# Altium PCB HYDRA_V4_LINK_V2.PcbDoc (part 2 of 3)
Units mm, origin at the board's own origin, x right, y up, seen from the top; angles counter-clockwise.
Board outline 50 x 44 mm, 4 copper layers (TOP SIG, PWR + INT SIG, GND, BOTTOM SIG), stack 1.586 mm thick; 197 components, 145 nets, 764 pads, 280 vias.
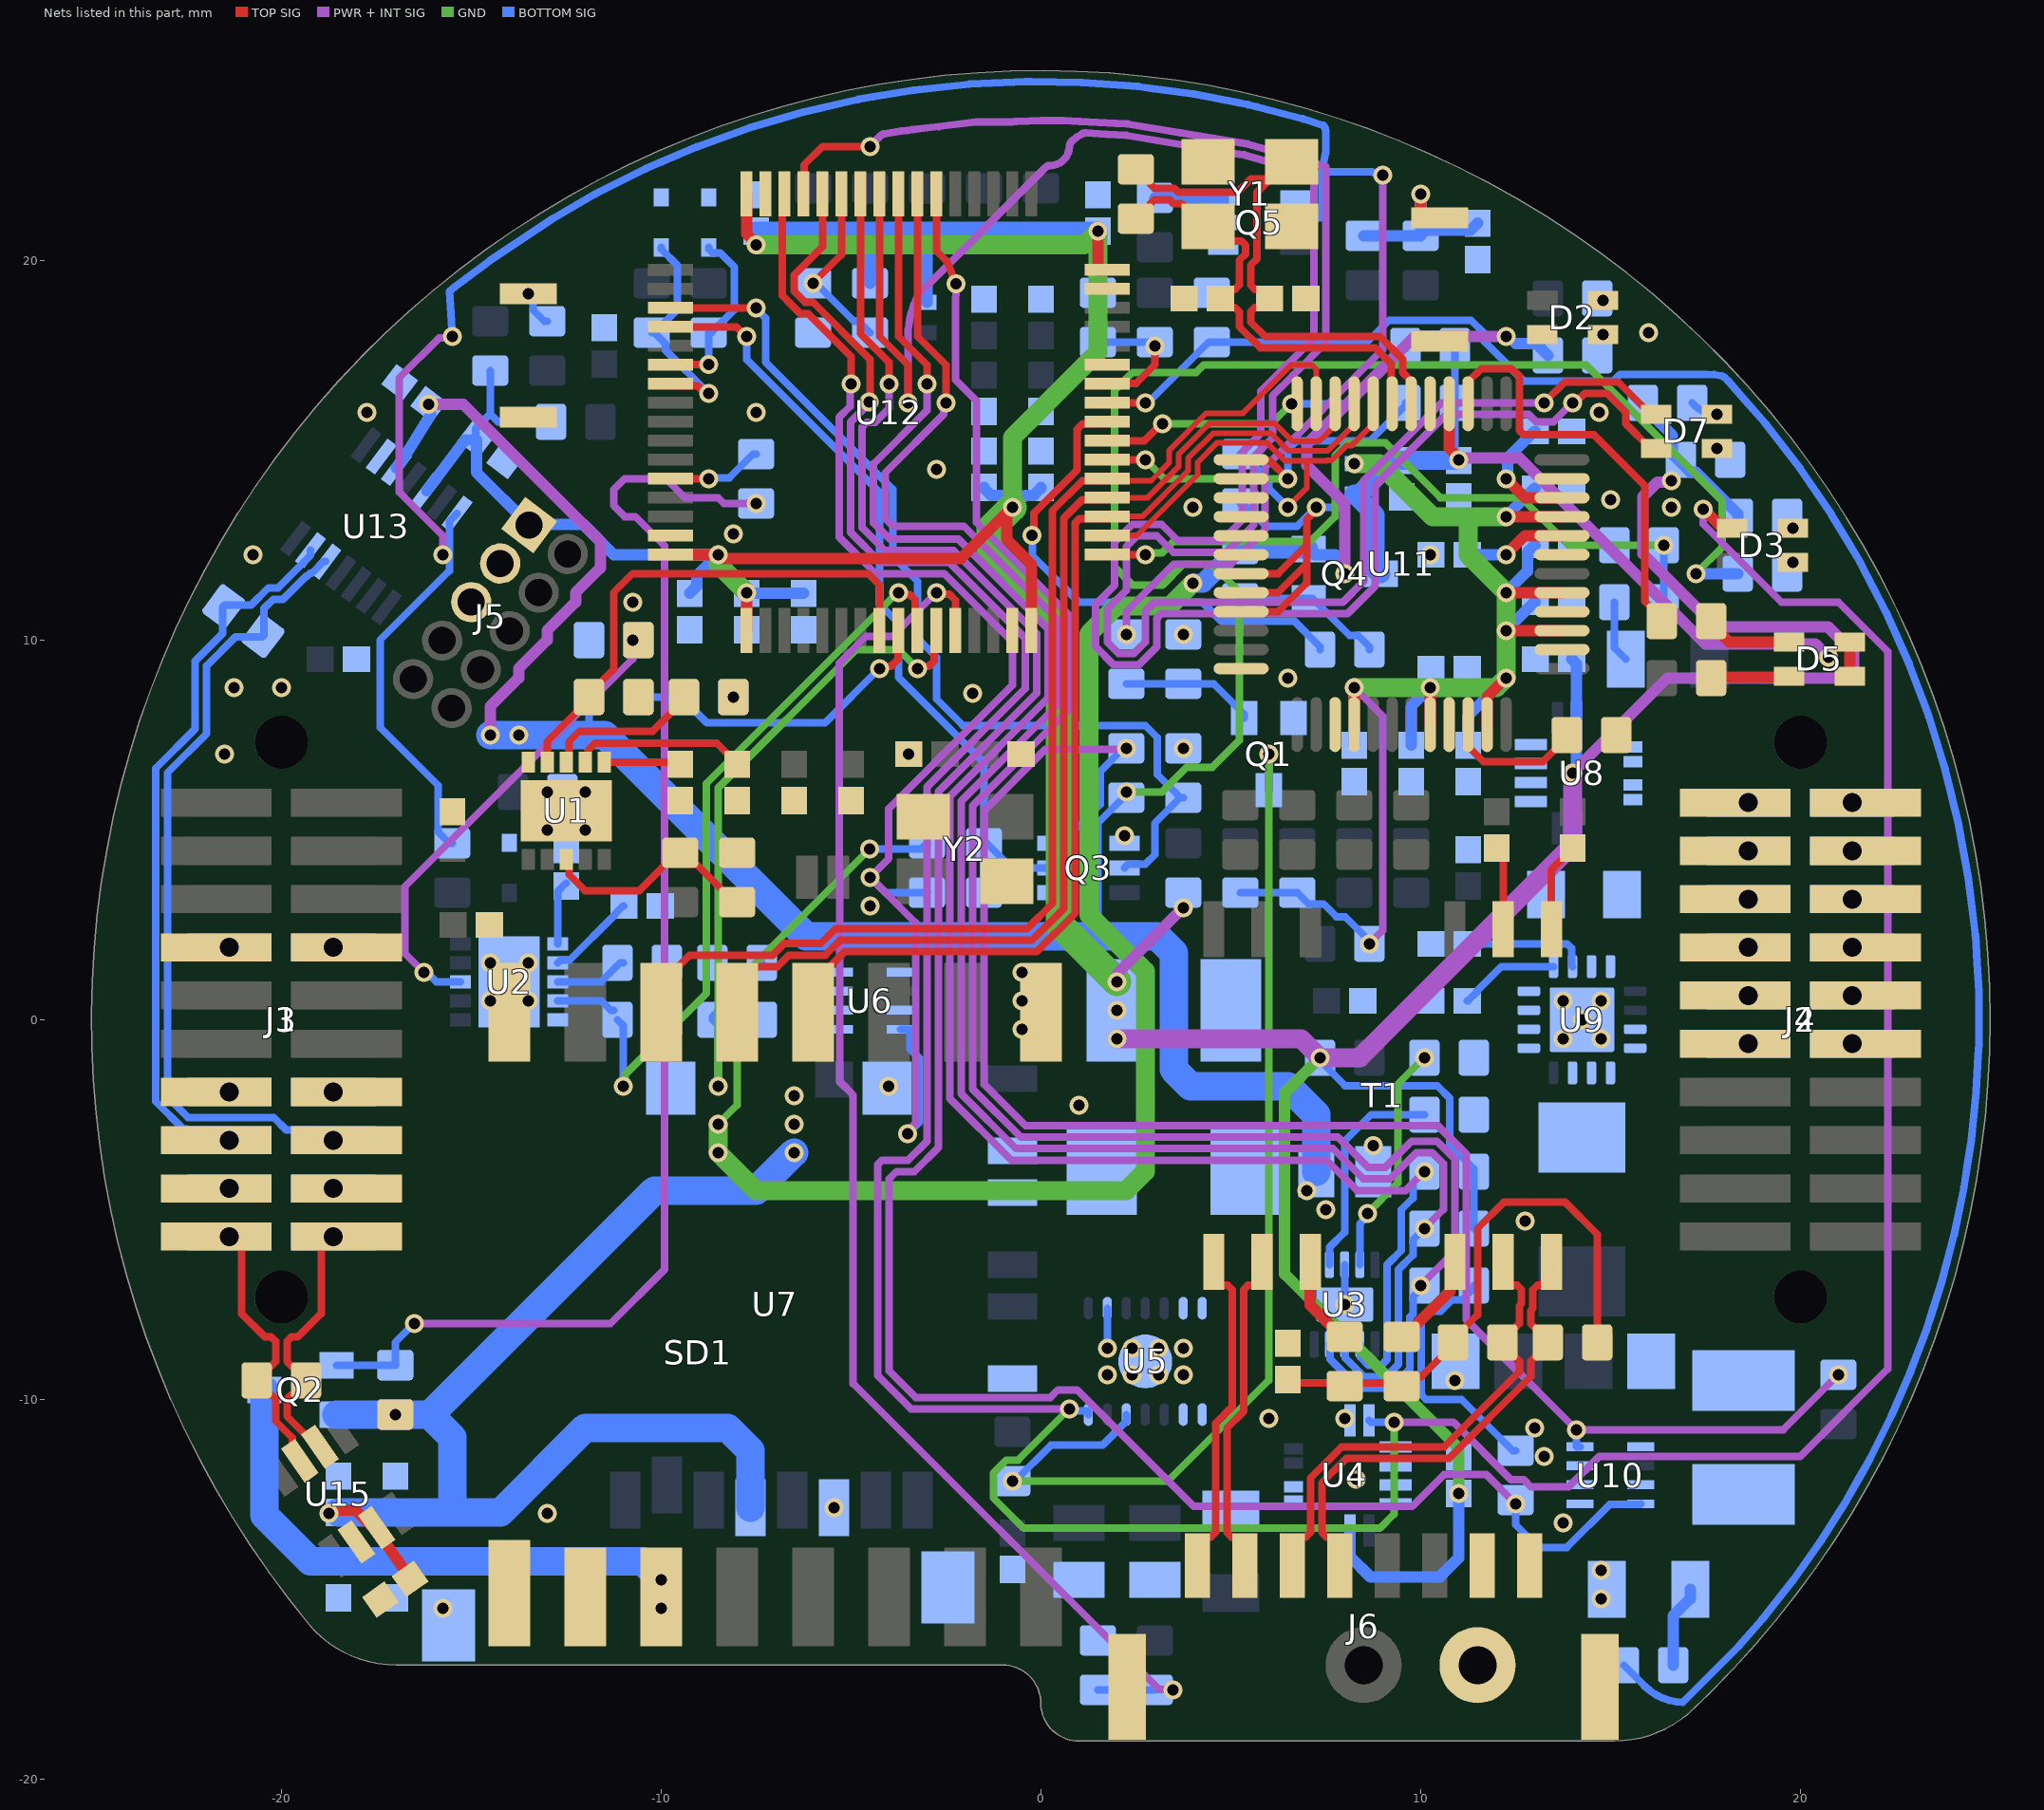
[diagram p4: the nets of this part, all layers, seen from the top]

## Part data (continued)
U11: library part CMP-015-0000-2, "Ethernet CTLR Single Chip 10Mbps/100Mbps 3.3V 48-Pin LQFP Reel", Case/Package=LQFP, Max Operating Temperature=85°C, Max Supply Current=132mA, Max Supply Voltage=3.63V, Min Operating Temperature=-40°C, Min Supply Voltage=2.97V, Package Quantity=250, Interface=SPI, Lead Free="Lead Free", Number of Pins=48, Number of Transceivers=1, Operating Supply Current=132mA, Packaging=Tray
U12: library part CMP-020-00020-2, "MCU 32-Bit STM32 ARM Cortex-M4 RISC 512KB Flash 1.71V to 3.6V 64-Pin LQFP T/R", RoHS Compliant=Yes
U13: library part CMP-318-000000-2, "Automotive CAN FD transceiver with watchdog, bus diagnostics and partial networking via sele 14-SOT-23-THIN -40 to 150", Component Type=Standard, Design Item ID=CMP-015-00012-2, Pin Count=14, Source=TCAN1146DYYRQ1.SchLib
U15: library part CMP-04872-000178-1, "IC TRANSCEIVER 1/1 SOT23-8", Case/Package=SOT-23-8, Max Operating Temperature=125°C, Min Operating Temperature=-40°C, Data Rate=1Mbps, Lead Free="Lead Free", Mount="Surface Mount", Packaging="Tape and Reel", RoHS Compliant=Yes
Y1 Y2: library part CMP-2000-05733-3, "Crystal 25MHz ±20ppm (Tol) ±30ppm (Stability) 18pF FUND 60Ω 4-Pin SMD T/R", Case/Package=CSMD, ESR (Equivalent Series Resistance)=60R, Frequency=25MHz, Frequency Stability=30ppm, Frequency Tolerance=20ppm, Load Capacitance=18pF, Max Operating Temperature=85°C, Min Operating Temperature=-40°C, Operating Frequency="25 MHz", Package Quantity=1000, Depth=2.5mm, Height=0.039inch, Lead Free="Lead Free", Length=3.2mm, Mount="Surface Mount", Number of Pins=4, Packaging="Tape and Reel", Radiation Hardening=No, Series=ABM8G, Series Resistance=60R, Termination=SMD/SMT, Tolerance=20ppm, Width=0.098inch
Y3: library part CMP-40224-000006-1, "CRYSTAL 32.7680KHZ 12.5PF SMD", Frequency=32.768kHz, Load Capacitance=12.5pF, Manufacturer="ECS International", Package=ECX-1210, Temperature="-40°C to +85°C", Temperature Range High=+85°C, Temperature Range Low=-40°C, Tolerance=20ppm, Automotive=No, Category=Crys, ComponentLink2Description=Datasheet, ComponentLink2URL=https://ecsxtal.com/store/pdf/ECX-1210.pdf, Device Class L1="Passive Components", Device Class L2="Crystals / Oscillators", Device Class L3=Crystals, Digikey Description="CRYSTAL 32.7680KHZ 12.5PF SMD", ESR=90kΩ, Height=0.5mm, Lead Free=Yes, Manufacturer Part Number=ECS-.327-12.5-1210-TR, Octopart=https://octopart.com/ecs-.327-12.5-1210-tr-ecs+international-81221340, RoHS=TRUE, Series=ECX-1210

## Free pads (board coordinates)
  round 2 hole 1: 2(11.5,-17) 3(8.5,-17)

## Via types
v1: diameter 0.5, hole 0.3, TOP SIG to BOTTOM SIG, tented both sides, 235 vias
v2: diameter 0.7, hole 0.5, TOP SIG to BOTTOM SIG, tented both sides, 40 vias
v3: diameter 0.5, hole 0.3, TOP SIG to BOTTOM SIG, 5 vias

## Nets (pads, with @x,y where several pads share a name; then routed paths per layer and width w, separated by ;. In a path a pad name is that pad's centre, name@x,y a point inside that pad or via, vN(x,y) a via of type N, cw(c..) or ccw(c..) an arc to the next point about the centre after c; other vN are vias at no path point)
3V3_OUT: Q4.2 R11.2 R15.1 R27.1 R82.2 U2.10 U6.3 | length 57.2
  PWR + INT SIG w0.3: v1(8,11.75) 8,13.6 7,14.6 7,15.153 9.847,18 v1(12.25,18)
  GND w0.2: v1(-8.5,-2.75) -8,-2.25 -8,1.002 v1(-4.502,4.5)
  GND w0.5: v1(-8.5,-2.75) v1(-8.5,-3.5) -7.5,-4.5 2.25,-4.5 2.75,-4 2.75,1.278 1.264,2.764 1.264,10.164 2,10.9 3.403,10.9 v1(4,11.497)
  BOTTOM SIG w0.2: v1(-4.502,4.5) -3.15,4.5 R27.1@-3,4.65
  BOTTOM SIG w0.3: Q4.2@7.05,12.4 7.2,12.25 7.75,12.25 7.962,12.038 7.962,11.788 v1(8,11.75) ; 12.5,17.804 13.1,17.804 13.138,17.766 13.138,17.712 R15.1@13.35,17.5
  BOTTOM SIG w0.5: v1(4,11.497) 4.003,11.5 4.275,11.5 5.175,12.4 Q4.2@7.05,12.4
5V: C7.1 C62.1 R3.2 R21.1 R22.2 R54.1 R58.1 U1.10 U3.1 U10.3 U13.3 | length 92.5
  PWR + INT SIG w0.3: v1(-16.118,16.212) -15.212,16.212 -11.6,12.6 -11.6,11.9 -12.25,11.25 -12.25,11 -13,10.25 -13,10 -13.75,9.25 -13.75,9 -14.5,8.25 v1(-14.5,7.5)
  GND w0.2: v1(2.25,6) 3.193,6 3.843,6.65 4.516,6.65 5.225,7.359 5.225,11.275 4.503,11.997 3.75,11.997 3.201,11.448 2.418,11.448 1.948,11.918 1.948,16.582 2.418,17.052 4.094,17.052 4.293,17.25 14.354,17.25 17.947,13.657 17.947,12.447 v1(17.249,11.749)
  BOTTOM SIG w0.2: -12,7.5 -11.9,7.6 R3.2@-11.9,8.5 ; 1.5,2.2 1.5,5.175 2.175,5.85 R54.1@2.25,5.85 ; R21.1@11.4,-7 11.4,-7.075 11.1,-7.375 10.827,-7.375 10.525,-7.677 10.304,-7.677 10.021,-7.959 10.021,-9.883 10.139,-10 11.075,-10 12.425,-11.35 R58.1@12.5,-11.35
  BOTTOM SIG w0.3: U13.3@-16.971,14.533 -16.769,14.805 -16.064,15.938 v1(-16.118,16.212) ; v1(17.249,11.749) R22.2@18.35,11.75
  BOTTOM SIG w0.75: v1(-14.5,7.5) v1(-13.75,7.5) -12,7.5 -11.485,7.5 -6.185,2.2 1.5,2.2 3.061,2.2 3.5,1.761 3.5,-1.311 3.939,-1.75 6.5,-1.75 7.25,-2.5 C7.1@7.25,-4
  other v1: 13.25,-11.498 13,-10.75 7.5,-5 7,-4.5
AUX_RADIO_PWR: F3.2 J6.8
  other v1: 14.75,-15.25 14.75,-14.5
BATT_TS: R21.2 U3.9 U12.38 | length 49.2
  TOP SIG w0.2: U12.38@-2.75,21.75 -2.75,20.25 -2.5,20 ; -2.499,19.999 cw(c-2.641,19.858) -2.455,19.933 v1(-2.234,19.383)
  PWR + INT SIG w0.2: v1(-2.234,19.383) -2.25,18.738 ccw(c-2.05,18.733) -2.25,18.733 -2.25,16.859 -1.7,16.309 -1.7,13.1 0.798,10.602 0.798,8.225 -1.792,5.635 -1.792,-1.828 -0.525,-3.095 7.822,-3.095 8.622,-3.895 9.071,-3.895 9.768,-3.198 10.432,-3.198 10.902,-3.668 10.902,-6.098 v1(10,-7)
  BOTTOM SIG w0.2: U3.9@7.6,-8.55 7.615,-8.565 7.615,-8.939 8.381,-9.705 9.219,-9.705 9.72,-9.204 9.72,-7.834 9.8,-7.754 9.8,-7.3 R21.2@10.1,-7
BST_nFLT: D3.4 U4.6 U5.14 U12.44 | length 102.6
  TOP SIG w0.2: U12.44@-5.75,21.75 -5.75,20.357 -6.5,19.607 -6.5,19.193 -6.207,18.9 -6.003,18.9 -4.5,17.397 -4.5,16.302 v1(-4.526,16.276)
  TOP SIG w0.3: v1(17.447,13.45) 17.847,13.05 18.1,13.05 D3.4@18.2,12.95
  PWR + INT SIG w0.2: v1(-4.526,16.276) -4.526,16.224 -5.005,15.745 -5.005,12.831 -4.225,12.052 -2.418,12.052 -1.933,11.567 -0.408,10.042 -0.408,8.725 -2.998,6.134 -2.998,-3.206 -3.491,-3.698 -3.925,-3.698 -3.927,-3.7 -4.181,-3.7 -4.298,-3.817 -4.298,-9.375 -3.423,-10.25 v1(0.75,-10.25) ; v1(9.3,-10.6) 10.866,-10.6 12.383,-12.117 12.717,-12.117 12.9,-12.3 13.903,-12.3 14.702,-11.502 19.998,-11.502 22.3,-9.2 22.3,9.7 21,11 19.5,11 17.447,13.053 v1(17.447,13.45)
  GND w0.2: v1(0.75,-10.25) -0.6,-11.6 -0.907,-11.6 -1.25,-11.943 -1.25,-12.597 -0.45,-13.397 8.927,-13.397 9.3,-13.023 v1(9.3,-10.6)
  BOTTOM SIG w0.2: v1(0.75,-10.25) 0.807,-10.307 1.232,-10.307 1.25,-10.326 U5.14@1.25,-10.4 ; U4.6@8.648,-10.55 8.698,-10.6 v1(9.3,-10.6)
CAN0_N: J1.16 J3.16 R97.1 U13.12 | length 21.3
  BOTTOM SIG w0.2: U13.12@-18.828,12.069 -18.887,12.069 -19.203,11.752 -19.25,11.752 -19.317,11.686 -19.348,11.686 -19.96,11.074 -20.213,11.074 -20.454,10.832 -20.454,10.135 R97.1@-20.481,10.109 -20.507,10.082 -21.204,10.082 -21.965,9.322 -21.965,7.535 -23,6.5 -23,-2.035 -22.46,-2.575 -20.2,-2.575 -19.87,-2.905 -18.905,-2.905 v2(-18.635,-3.175)
CAN0_P: J1.15 J3.15 R97.2 U13.13 | length 19.1
  BOTTOM SIG w0.2: v2(-21.365,-3.175) -21.635,-2.905 -22.464,-2.905 -22.492,-2.877 -22.585,-2.877 -23.302,-2.16 -23.302,6.625 -22.267,7.66 -22.267,9.447 -21.546,10.168 -21.546,10.865 R97.2@-21.519,10.891 -21.493,10.918 -20.796,10.918 -20.338,11.375 -20.085,11.375 -19.227,12.233 U13.13@-19.227,12.37
CAN1_N: J1.20 J3.20 R101.1 U15.6 | length 7.1
  TOP SIG w0.2: U15.6@-18.979,-11.249 -19.048,-11.249 -19.849,-10.447 -19.849,-9.992 -19.732,-9.875 -19.65,-9.875 -19.35,-9.575 R101.1@-19.35,-9.5 -19.35,-9.425 -19.65,-9.125 -19.732,-9.125 -19.849,-9.008 -19.849,-8.638 -19.849,-8.472 -19.732,-8.355 -19.565,-8.355 -18.95,-7.74 -18.95,-5.985 -18.685,-5.72 J3.20@-18.635,-5.72
  other v2: -18.635,-5.715
CAN1_P: J1.19 J3.19 R101.2 U15.7 | length 7.2
  TOP SIG w0.2: J3.19@-21.365,-5.72 -21.315,-5.72 -21.05,-5.985 -21.05,-7.74 -20.435,-8.355 -20.268,-8.355 -20.151,-8.472 -20.151,-8.763 -20.151,-9.008 -20.268,-9.125 -20.35,-9.125 -20.65,-9.425 R101.2@-20.65,-9.5 ; R101.2@-20.65,-9.575 -20.35,-9.875 -20.268,-9.875 -20.151,-9.992 -20.151,-10.572 -19.712,-11.011 -19.712,-11.421 U15.7@-19.512,-11.622
  other v2: -21.365,-5.715
CAN_INH: Q5.2 R7.2 R31.1 U13.7 | length 63.5
  PWR + INT SIG w0.2: v1(-15.75,12.25) -15.75,12.75 -16.9,13.9 -16.9,16.9 -15.839,17.961 -15.539,17.961 v1(-15.5,18) ; v1(2.25,10.15) 2.25,10.75 3.5,12 5,12 5.903,12.903 5.903,14.553 9,17.65 v1(9,22.25)
  BOTTOM SIG w0.2: R7.2@-15.5,4.65 -15.575,4.65 -15.875,4.95 -15.875,6.175 -17.4,7.7 -17.4,10 -15.576,11.824 -15.576,13.127 U13.7@-15.373,13.329 ; v1(-15.5,18) -15.574,19.18 -15.44,19.293 cw(c-15.31,19.141) -15.431,19.301 -15.139,19.52 -14.508,19.995 -12.835,21.11 -11.744,21.742 cw(c-11.644,21.569) -11.734,21.747 -11.645,21.792 -10.422,22.406 cw(c-10.333,22.227) -10.412,22.41 -9.971,22.599 -9.063,22.989 cw(c-8.984,22.805) -9.052,22.993 -7.671,23.49 cw(c-7.603,23.302) -7.659,23.494 -7.146,23.645 -6.251,23.907 cw(c-6.195,23.715) -6.24,23.91 -4.809,24.238 ; -4.809,24.238 cw(c-4.765,24.043) -4.798,24.241 -4.425,24.303 -3.35,24.483 cw(c-3.317,24.285) -3.338,24.484 -1.879,24.639 cw(c-1.858,24.44) -1.867,24.64 -0.401,24.708 cw(c-0.392,24.508) -0.389,24.708 -0.254,24.706 1.078,24.687 cw(c1.075,24.487) 1.09,24.687 2.553,24.579 cw(c2.539,24.379) 2.565,24.577 2.969,24.523 4.02,24.382 cw(c3.993,24.184) 4.032,24.38 5.182,24.154 5.45,24.102 cw(c5.412,23.905) 5.461,24.099 5.696,24.04 6.904,23.727 cw(c6.854,23.533) 6.915,23.724 7.437,23.555 cw(c7.3,23.409) 7.5,23.409 7.5,22.852 cw(c7.3,22.852) 7.496,22.813 7.4,22.336 ; Q5.2@6.7,21 7.4,21.126 7.4,22.336 ; v1(9,22.25) 8.943,22.307 8.762,22.307 8.733,22.336 7.4,22.336
CHG_N: R19.2 U3.8 U12.39 | length 50.7
  TOP SIG w0.2: U12.39@-3.25,21.75 -3.25,18 -2.5,17.25 v1(-2.5,16.25)
  PWR + INT SIG w0.2: v1(-2.5,16.25) -2.557,16.193 -2.557,15.943 -4.1,14.4 -4.1,13.206 -3.894,13 -2.027,13 0.497,10.477 0.497,8.35 -2.094,5.759 -2.094,-1.953 -0.65,-3.397 7.697,-3.397 8.497,-4.197 9.196,-4.197 9.893,-3.5 10.307,-3.5 10.6,-3.793 10.6,-5 v1(10.1,-5.5)
  BOTTOM SIG w0.2: U3.8@8,-8.55 8,-8.785 8.015,-8.8 8.015,-8.913 8.506,-9.403 9.094,-9.403 9.418,-9.079 9.418,-6.58 9.8,-6.198 9.8,-5.8 v1(10.1,-5.5)
EN: Q1.3 R30.2 U5.12 | length 29.1
  GND w0.2: v1(-0.75,-12.15) 3.35,-12.15 6,-9.5 v1(6,7)
  BOTTOM SIG w0.2: v1(-0.75,-12.15) -0.675,-12.15 0.272,-11.203 1.627,-11.203 2.25,-10.58 U5.12@2.25,-10.4 ; Q1.3@6,6.05 v1(6,7)
ETH_3V3: C39.1 C40.1 D5.2 D5.3 FB1.1 Q4.3 R62.2 R71.2 R75.2 U11.28 U11.43 U11.44 U11.45 | length 34.4
  TOP SIG w0.2: U11.45@5.275,10.75 6.25,10.75 7,11.5 7,12 ; U11.44@5.275,11.25 6.25,11.25 7,12 ; U11.43@5.275,11.75 6.25,11.75 7,12.5 ; v1(7.25,13.5) 7.25,13.419 7,13.169 7,12.5 ; 7,12 7,12.5
  TOP SIG w0.3: U11.28@10.75,16.225 10.75,15.05 11,14.8 v1(11,14.75) ; D5.2@21.3,9.05 D5.3@21.3,9.95
  PWR + INT SIG w0.3: v1(11,14.75) 11.054,14.75 11.104,14.8 12.6,14.8 17.5,9.9 20.398,9.9 v1(20.748,9.55)
  BOTTOM SIG w0.2: R62.2@5.25,13.6 5.325,13.6 5.925,13 6.75,13 v1(7.25,13.5) 7.85,13.5 8.2,13.85 FB1.1@8.25,13.85 ; R71.2@10.9,17.75 R75.2@10.9,16.25 10.9,14.85 v1(11,14.75)
  BOTTOM SIG w0.5: Q4.3@8.95,11.75 8.9,11.75 8.8,11.85 8.8,13.3 FB1.1@8.25,13.85 8.397,13.85 8.852,14.304 8.852,14.314 9.158,14.621 ; C39.1@9.5,14.729 10.979,14.729 v1(11,14.75)
ETH_3V3A: C32.1 C33.1 C34.1 C35.1 C36.1 C37.1 C38.1 FB1.2 R60.2 R63.1 R76.1 U11.4 U11.8 U11.11 U11.15 U11.17 U11.21 | length 41.5
  TOP SIG w0.3: U11.4@8.25,7.775 v1(8.25,8.75) ; U11.8@10.25,7.775 v1(10.25,8.75) ; U11.11@11.75,7.775 11.75,8.5 v1(12.25,9) ; v1(12.25,10.25) 12.95,10.25 U11.15@13.725,10.25 ; v1(12.25,11.25) U11.17@13.725,11.25 ; v1(12.25,13.25) U11.21@13.725,13.25
  PWR + INT SIG w0.2: v1(8.25,8.75) 9,8 9,2.35 v1(8.65,2)
  GND w0.5: v1(8.25,8.75) v1(10.25,8.75) 12,8.75 v1(12.25,9) v1(12.25,10.25) v1(12.25,11.25) 11.25,12.25 11.25,13.25 ; v1(8.25,14.65) 8.914,14.65 10.314,13.25 11.25,13.25 ; v1(12.25,13.25) 11.25,13.25
  BOTTOM SIG w0.2: R63.1@5.25,3.35 R60.2@6.75,3.35 7.05,3.05 7.448,3.05 7.786,2.713 8.012,2.713 8.65,2.075 v1(8.65,2)
  BOTTOM SIG w0.3: C33.1@8.25,7.229 v1(8.25,8.75) ; C34.1@9.75,7.229 9.75,8.25 v1(10.25,8.75) ; C35.1@11.25,7.229 11.25,8 v1(12.25,9) ; v1(12.25,10.25) 13,11 C36.1@13.021,11 ; v1(12.25,11.25) 12.814,11.814 12.814,12.314 13,12.5 C37.1@13.021,12.5 ; v1(12.25,13.25) 13,14 C38.1@13.021,14
ETH_MISO: U7.13 U11.34 U12.20 | length 29.8
  TOP SIG w0.15: U12.20@1.75,13.75 2.813,13.75 3.627,14.563 3.627,14.89 4.44,15.703 6.158,15.703 6.631,15.23 7.327,15.23 7.716,15.619 7.716,16.191 U11.34@7.75,16.225
  TOP SIG w0.2: U7.13@-8,0.2 -8,0.95 -7.55,1.4 -6.935,1.4 -6.634,1.702 -5.675,1.702 -5.28,2.097 -0.23,2.097 0.602,2.928 0.602,13.205 1.094,13.698 1.698,13.698 U12.20@1.75,13.75
ETH_MOSI: U7.14 U11.35 U12.21 | length 32
  TOP SIG w0.15: U12.21@1.75,14.25 1.804,14.196 2.904,14.196 3.375,14.667 3.375,14.994 4.356,15.975 5.325,15.975 6.6,17.25 7.133,17.25 7.25,17.133 U11.35@7.25,16.225
  TOP SIG w0.2: U7.14@-10,0.2 -10,0.95 -9.248,1.702 -7.06,1.702 -6.758,2.003 -5.8,2.003 -5.405,2.398 -0.355,2.398 0.3,3.053 0.3,13.4 1.098,14.198 1.698,14.198 U12.21@1.75,14.25
ETH_nCS: R62.1 U11.32 U12.18 | length 12.7
  TOP SIG w0.15: U12.18@1.75,12.75 1.754,12.754 2.529,12.754 4.13,14.355 4.13,14.681 4.649,15.2 5.95,15.2 6.425,14.725 7,14.725 ; v1(6.5,13.5) 7,14 7,14.725 ; U11.32@8.75,16.225 8.75,15.688 8.187,15.125 8.053,15.125 7.655,14.727 7.527,14.727 7.525,14.725 7,14.725
  BOTTOM SIG w0.2: R62.1@5.25,14.9 5.325,14.9 6,14.225 6,14 v1(6.5,13.5)
ETH_nINT: R71.1 U11.36 U12.23 | length 8.9
  TOP SIG w0.2: U12.23@1.75,15.25 2.731,15.25 3.181,15.7 v1(3.2,15.7)
  GND w0.2: v1(3.2,15.7) 6.075,15.7 v1(6.6,16.225)
  BOTTOM SIG w0.2: v1(6.6,16.225) 8.15,16.225 9.6,17.675 R71.1@9.6,17.75
ETH_nRST: R75.1 U11.37 U12.22 | length 10.8
  TOP SIG w0.2: U12.22@1.75,14.75 v1(2.75,14.75) ; U11.37@5.275,14.75 5.294,14.731 6.019,14.731 v1(6.5,14.25)
  GND w0.2: v1(2.75,14.75) 3.25,14.25 v1(6.5,14.25)
  BOTTOM SIG w0.2: v1(6.5,14.25) 6.5,15 6.75,15.25 8.675,15.25 9.6,16.175 R75.1@9.6,16.25
ETH_RX_N: J6.3 R73.1 T1.11 | length 12.9
  TOP SIG w0.2: J6.3@6.625,-14.374 6.625,-13.854 6.855,-13.623 6.982,-13.623 7.099,-13.506 7.099,-12.074 7.276,-11.898 7.747,-11.427 7.923,-11.25 10.624,-11.25 12.599,-9.275 12.599,-8.992 12.482,-8.875 12.45,-8.875 12.15,-8.575 R73.1@12.15,-8.5 12.15,-8.425 12.45,-8.125 12.482,-8.125 12.599,-8.008 12.599,-7.544 12.659,-7.484 12.659,-7.113 12.542,-6.996 12.354,-6.996 12.175,-6.817 T1.11@12.175,-6.381
ETH_RX_P: J6.4 R69.2 T1.12 | length 12.9
  TOP SIG w0.2: J6.4@7.875,-14.374 7.875,-13.854 7.645,-13.623 7.518,-13.623 7.401,-13.506 7.401,-12.199 8.048,-11.552 10.749,-11.552 12.901,-9.4 12.901,-8.992 13.018,-8.875 13.05,-8.875 13.35,-8.575 R69.2@13.35,-8.5 13.35,-8.425 13.05,-8.125 13.018,-8.125 12.901,-8.008 12.901,-7.669 12.961,-7.609 12.961,-7.113 13.078,-6.996 13.266,-6.996 13.445,-6.817 T1.12@13.445,-6.381
ETH_SCLK: U7.12 U11.33 U12.19 | length 28.3
  TOP SIG w0.15: U12.19@1.75,13.25 1.763,13.263 2.682,13.263 3.878,14.459 3.878,14.786 4.544,15.452 6.054,15.452 6.527,14.979 7.551,14.979 8.25,15.678 U11.33@8.25,16.225
  TOP SIG w0.2: U7.12@-6,0.2 -6,0.95 -5.155,1.795 -0.105,1.795 0.903,2.803 0.903,13.08 1.02,13.198 1.698,13.198 U12.19@1.75,13.25
ETH_TX_N: J6.1 T1.7 | length 8.8
  TOP SIG w0.2: J6.1@4.125,-14.374 4.125,-13.854 4.355,-13.623 4.482,-13.623 4.599,-13.506 4.599,-10.634 5.039,-10.194 5.039,-7.113 4.922,-6.996 4.734,-6.996 4.555,-6.817 T1.7@4.555,-6.381
ETH_TX_P: J6.2 T1.8 | length 8.8
  TOP SIG w0.2: J6.2@5.375,-14.374 5.375,-13.854 5.145,-13.623 5.018,-13.623 4.901,-13.506 4.901,-10.759 5.341,-10.319 5.341,-7.113 5.458,-6.996 5.646,-6.996 5.825,-6.817 T1.8@5.825,-6.381
ETH_X_N: C44.1 R79.1 U11.31 Y1.3 | length 11.9
  TOP SIG w0.2: R79.1@2.5,21.1 2.575,21.1 2.875,21.4 2.875,21.482 2.992,21.599 3.389,21.599 3.492,21.497 3.703,21.497 4.3,20.9 Y1.3@4.4,20.9 4.786,20.514 5.28,20.514 5.397,20.397 5.397,20.173 5.224,20 5.224,19.353 5.107,19.236 4.965,19.236 C44.1@4.729,19 4.965,18.764 5.107,18.764 5.224,18.647 5.224,18.253 5.777,17.7 8.8,17.7 9.231,17.269 9.231,16.244 U11.31@9.25,16.225
ETH_X_P: C43.1 R79.2 U11.30 Y1.1 | length 15
  TOP SIG w0.2: R79.2@2.5,22.4 2.575,22.4 2.875,22.1 2.875,22.018 2.992,21.901 3.514,21.901 3.616,21.798 5.184,21.798 5.527,22.142 Y1.1@6.042,22.142 ; Y1.1@6.6,22.6 6.142,22.142 Y1.1@6.042,22.142 ; U11.30@9.75,16.225 9.75,16.827 9.532,17.045 9.532,17.394 8.925,18.002 5.902,18.002 5.526,18.377 5.526,18.647 5.643,18.764 5.785,18.764 C43.1@6.021,19 5.785,19.236 5.643,19.236 5.526,19.353 5.526,19.875 5.698,20.048 5.698,20.522 5.693,20.527 5.693,21.793 Y1.1@6.042,22.142
EXIT_CT: C31.1 R65.2 R66.2 R69.1 R73.2 | length 14.9
  TOP SIG w0.2: C31.1@6.5,-9.479 6.586,-9.564 9.414,-9.564 R65.2@9.5,-9.65 9.75,-9.4 10.025,-9.4 10.85,-8.575 10.85,-8.425 11.5,-7.775 11.5,-5.5 12.198,-4.802 13.802,-4.802 14.65,-5.65 R69.1@14.65,-8.5
GND: C1.2 C2.2 C3.2 C4.2 C5.2 C6.2 C7.2 C8.2 C9.2 C10.2 C11.2 C12.2 C13.2 C14.2 C15.1 C16.2 C17.2 C18.2 C19.2 C20.2 C21.2 C22.2 C23.2 C24.2 C25.1 C26.1 C29.2 C30.2 C31.2 C32.2 C33.2 C34.2 C35.2 C36.2 C37.2 C38.2 C39.2 C40.2 C41.2 C42.2 C43.2 C44.2 C45.2 C46.2 C47.2 C48.2 C49.2 C50.2 C51.2 C52.2 C53.2 C54.2 C55.2 C56.2 C57.2 C58.2 C59.2 C61.2 C62.2 C63.2 C64.2 C65.2 C68.2 D1.2 D2.1 D4.2 D6.2 J1.07 J1.08 J1.13 J1.14 J1.17 J1.18 J2.01 J2.02 J2.03 J2.04 J2.05 J2.06 J2.07 J2.08 J2.09 J2.10 J2.11 J2.12 J3.07 J3.08 J3.13 J3.14 J3.17 J3.18 J4.01 J4.02 J4.03 J4.04 J4.05 J4.06 J4.07 J4.08 J4.09 J4.10 J4.11 J4.12 J5.03 J5.05 J6.7 J6.9 J6.10 pad.2 Q1.2 Q3.1 Q3.4 Q5.1 Q5.4 R2.2 R4.2 R5.2 R6.1 R8.1 R10.2 R12.2 R13.2 R14.1 R17.2 R20.2 R25.2 R29.2 R32.2 R43.1 R50.2 R57.1 R59.2 R74.2 R84.1 SD1.6 SD1.10 SD1.11 SD1.12 SD1.13 SW2.2 SW3.2 U1.11 U2.11 U3.3 U3.11 U4.5 U4.7 U4.8 U4.9 U4.10 U5.2 U5.15 U6.1 U6.4 U6.5 U7.1 U7.2 U7.9 U7.16 U8.5 U8.7 U8.8 U8.9 U8.10 U9.5 U9.6 U9.7 U9.8 U9.15 U9.16 U9.17@14.25,0 U10.1 U10.5 U11.3 U11.9 U11.14 U11.16 U11.19 U11.23 U11.29 U11.38 U11.39 U11.40 U11.41 U11.42 U11.48 U12.15 U12.27 U12.31 U12.47 U12.63 U13.2 U15.2 Y1.2 Y1.4 Y2.2 Y2.4 | length 2.1
  BOTTOM SIG w0.2: v1(1.75,-8.65) U5.2@1.75,-7.6 ; v1(8,-7.5) U3.3@8,-6.45
  other v1: -15.75,-15.5 13.75,-13.25 -13,-13 -5.44,-12.86 8.3,-12.1 6,-10.5 8,-10.5 10.9,-9.5 1.75,-9.35 2.4,-9.35 3.1,-9.35 3.75,-9.35 2.4,-8.65 3.1,-8.65 3.75,-8.65 12.75,-5.302 8.754,-3.321 1,-2.25 -4.01,-1.75 -0.5,-0.25 -14.5,0.5 -13.5,0.5 -0.5,0.5 -0.5,1.25 -14.5,1.5 -13.5,1.5 -4.497,3 2.2,4.85 -13,5 -12,5 -13,6 -12,6 -21.5,7 -3.479,7 3.75,7.15 -8.1,8.5 -1.8,8.6 -21.25,8.75 -20,8.75 6.5,9 3.75,10.15 -10.75,11 -20.75,12.25 10.25,12.25 -8.1,12.8 4,13.5 16.6,13.5 15,13.7 -2.75,14.5 -17.75,16 -7.5,16 14.7,16 16,18.1
  other v2: -21.365,-4.445 -18.635,-4.445 -21.365,-1.905 -18.635,-1.905 18.635,-0.635 21.365,-0.635 18.635,0.635 21.365,0.635 -21.365,1.905 -18.635,1.905 18.635,1.905 21.365,1.905 18.635,3.175 21.365,3.175 18.635,4.445 21.365,4.445 18.635,5.715 21.365,5.715
  other v3: 13.75,-0.5 14.75,-0.5 14.25,0 13.75,0.5 14.75,0.5
INT_3V3: C8.1 C15.2 C18.1 C19.1 C20.1 C45.1 C46.1 C47.1 C48.1 C49.1 C52.1 C53.1 C64.1 C68.1 FB2.1 J5.01 Q2.2 R18.1 R19.1 R23.2 R28.1 R35.2 R36.1 R37.1 R38.1 R39.1 R40.1 R41.1 R46.2 R47.2 R85.2 R90.2 R91.2 R95.1 SD1.4 U4.12 U6.2 U6.7 U8.12 U12.1 U12.16 U12.32 U12.48 U12.64 U13.5 U15.3 | length 185.4
  TOP SIG w0.3: v1(-18.75,-13) -18.696,-13 -18.616,-12.92 -18.037,-12.92 -17.579,-13.378 U15.3@-17.488,-13.378 -17.296,-13.732 -16.71,-14.57 C68.1@-16.608,-14.726 ; v1(-17,-10.4) R38.1@-16.914,-10.314 ; U12.64@-9.75,12.25 v1(-8.5,12.25) -8.446,12.25 -8.346,12.15 -2.1,12.15 v1(-0.75,13.5) ; U12.1@-7.75,10.25 v1(-7.75,11.25) ; U12.48@-7.75,21.75 -7.75,20.703 -7.5,20.453 v1(-7.5,20.414) ; -0.9,13.296 -0.9,12.65 -0.25,12 U12.16@-0.25,10.25 ; v1(1.5,20.771) 1.5,19.752 1.502,19.75 U12.32@1.75,19.75
  PWR + INT SIG w0.3: v1(2,1) 2.038,1.038 2.038,1.238 v1(3.75,2.95) ; v1(14,6.5) 16.5,9 21.217,9 21.4,9.183 21.4,9.676 20.729,10.347 17.775,10.347 15.85,12.272 15.85,13.77 16.241,14.162 16.562,14.162 v1(16.6,14.2)
  PWR + INT SIG w0.5: v1(2,-0.5) 6.85,-0.5 v1(7.35,-1) 8.4,-1 14,4.6 v1(14,6.5)
  GND w0.3: v1(7.35,-1) 6.419,-1.931 6.419,-6.7 11,-11.28 v1(11,-12.479)
  GND w0.5: v1(-8.5,12.25) -8.5,12 v1(-7.75,11.25) ; v1(-7.5,20.414) 1.142,20.414 v1(1.5,20.771) 1.5,17.581 -0.75,15.331 v1(-0.75,13.5)
  GND w0.75: v1(-0.75,13.5) -1.314,12.936 -1.314,12.314 0.5,10.5 0.5,2.5 v1(2,1)
  BOTTOM SIG w0.2: C64.1@-14.882,15.288 -14.882,15.573 -14.5,15.955 ; R95.1@-14.5,17.1 -14.5,15.955 ; R85.2@-12.9,15.75 -14.295,15.75 -14.5,15.955 ; R85.2@-12.874,16.019 R85.2@-12.859,16.019 ; v1(7.35,-1) 7.35,-1.075 8.011,-1.736 10.437,-1.736 10.769,-2.067 10.769,-3.294 11.4,-3.925 R18.1@11.4,-4 R19.1@11.4,-5.5
  BOTTOM SIG w0.3: U13.5@-16.172,13.931 -15.966,14.201 -15.16,15.264 C64.1@-14.882,15.288 -14.861,15.267 -14.861,14.418 J5.01@-13.471,13.029 -13.454,13.046 -12.046,13.046 -11.25,12.25 v1(-8.5,12.25) -9.064,11.686 -9.064,11.415 C49.1@-9.25,11.229 ; v1(-7.75,11.25) -7.729,11.229 C52.1@-6.25,11.229 ; R28.1@-4.5,19.4 R36.1@-4.5,20.6 ; FB2.1@-3,18.9 R39.1@-3,20.6 ; C46.1@-1.5,14.021 -1.5,14 -1.314,13.814 -1.064,13.814 v1(-0.75,13.5) -0.724,13.5 -0.411,13.814 -0.186,13.814 0,14 C45.1@0,14.021 ; U4.12@8.148,-13.45 8.148,-14.148 8.679,-14.679 10.5,-14.679 11,-14.179 v1(11,-12.479) ; C20.1@13.979,9.5 14.102,9.377 U8.12@14.102,7.95 14.102,6.656 14,6.554 v1(14,6.5) ; R91.2@16.011,16.014 16.636,15.389 16.636,14.889 17.1,14.425 17.25,14.425 17.675,14 18.35,13.325 R23.2@18.35,13.25
  BOTTOM SIG w0.5: C48.1@-7.5,20.771 v1(1.5,20.771)
  BOTTOM SIG w0.75: Q2.2@-18.55,-10.4 v1(-17,-10.4) -16.075,-10.4 -10.175,-4.5 -7.5,-4.5 v1(-6.5,-3.5) ; C18.1@-18.5,-12.979 C19.1@-17,-12.979 -15.489,-12.979 ; -16.075,-10.425 -15.489,-11.011 -15.489,-12.979 ; SD1.4@-7.64,-12.86 -7.64,-11.36 -8.25,-10.75 -12,-10.75 -14.229,-12.979 -15.489,-12.979
  other v1: -6.5,-2.75 -6.5,-2 2,0.25
ISET2: R18.2 U3.7 U12.40 | length 49
  TOP SIG w0.2: U12.40@-3.75,21.75 -3.75,18 -3,17.25 v1(-3,16.75)
  PWR + INT SIG w0.2: v1(-3,16.75) -3,16.043 -4.402,14.641 -4.402,13.081 -3.975,12.655 -2.168,12.655 0.195,10.291 0.195,8.475 -2.395,5.884 -2.395,-2.078 -0.775,-3.698 7.525,-3.698 8.327,-4.5 9.6,-4.5 v1(10.1,-4)
  BOTTOM SIG w0.2: U3.7@8.4,-8.55 8.415,-8.565 8.415,-8.886 8.63,-9.102 8.97,-9.102 9.117,-8.955 9.117,-6.455 9.498,-6.074 9.498,-5 9.8,-4.698 9.8,-4.3 v1(10.1,-4)
MCU_G_LED: D7.1 U12.41 | length 58.6
  TOP SIG w0.2: U12.41@-4.25,21.75 -4.25,18 -3.5,17.25 v1(-3.5,16.25) ; v1(14,16.25) 14.081,16.25 14.331,16.5 14.907,16.5 15.404,16.004 15.404,15.696 16.05,15.05 D7.1@16.2,15.05
  PWR + INT SIG w0.2: v1(-3.5,16.25) -3.5,17.948 cw(c-0.96,17.948) -3.238,19.07 cw(c-3.06,18.981) -3.202,19.122 0.119,22.442 cw(c0.259,22.3) 0.256,22.5 ccw(c0.25,23) 0.75,22.993 cw(c0.95,22.989) 0.814,23.136 cw(c1.75,22.116) 1.082,23.328 cw(c1.178,23.153) 1.19,23.352 1.74,23.32 2.237,23.292 cw(c2.226,23.092) 2.258,23.289 5.221,22.799 5.352,22.778 cw(c5.319,22.58) 5.375,22.773 6.919,22.324 7.198,22.044 7.198,17.957 5.798,16.557 5.798,15.444 5.3,14.946 5.3,13.153 4.762,12.615 3.612,12.615 3.175,13.052 2.418,13.052 1.948,12.582 1.948,11.448 1.448,10.948 1.448,9.818 1.918,9.348 2.582,9.348 3.052,9.818 3.052,10.573 3.174,10.695 8.079,10.695 8.802,11.418 8.802,14.068 10.682,15.948 12.844,15.948 13.043,15.75 13.5,15.75 v1(14,16.25)
MCU_R_LED: D7.4 U12.45 | length 51.8
  TOP SIG w0.2: U12.45@-6.25,21.75 -6.238,21.762 -6.238,22.512 -5.748,23.002 v1(-4.5,23.002) ; v1(13.25,16.25) 13.802,16.802 15.198,16.802 16.05,15.95 D7.4@16.2,15.95
  PWR + INT SIG w0.2: v1(-4.5,23.002) -4.221,23.281 cw(c-4.08,23.139) -4.112,23.337 -3.671,23.41 ; -3.67,23.41 ccw(c-3.67,24.7) -3.381,23.443 cw(c-3.336,23.248) -3.36,23.447 -2.686,23.526 -1.713,23.641 cw(c-1.69,23.442) -1.694,23.642 -1.455,23.647 -0.852,23.647 ccw(c-0.852,24.852) -0.666,23.662 cw(c-0.635,23.464) -0.639,23.664 0.007,23.677 0.578,23.689 cw(c0.582,23.489) 0.594,23.689 1.035,23.663 1.977,23.609 2.271,23.592 cw(c2.259,23.392) 2.292,23.589 3.685,23.359 5.27,23.097 5.418,23.072 cw(c5.386,22.875) 5.442,23.067 6.619,22.725 7.127,22.577 7.5,22.469 7.5,17.832 6.634,16.966 6.1,16.432 6.1,15.319 5.602,14.821 5.602,13.028 4.887,12.313 3.487,12.313 3.05,12.75 2.543,12.75 2.25,12.457 2.25,11.307 1.75,10.807 1.75,9.943 2.043,9.65 2.457,9.65 2.75,9.943 2.75,10.756 2.991,10.997 7.954,10.997 8.5,11.543 8.5,14.193 10.557,16.25 v1(13.25,16.25)
nACT_LED: R78.1 U11.27 | length 11.2
  TOP SIG w0.2: U11.27@11.25,16.225 11.25,16.8 11.602,17.152 12.396,17.152 12.602,16.946 12.602,15.52 12.719,15.403 14.571,15.403 15.9,14.074 15.9,11.025 16.35,10.575 R78.1@16.35,10.5
NetC2_1: C2.1 U1.7 | length 4.6
  TOP SIG w0.2: U1.7@-12,6.785 -11.925,6.86 -11.925,7.095 -11.732,7.288 -8.538,7.288 -8,6.75 C2.1@-8,6.729
NetC3_1: C3.1 U1.6 | length 2
  TOP SIG w0.2: U1.6@-11.5,6.785 -9.556,6.785 C3.1@-9.5,6.729
NetC5_1: C5.1 U2.7 | length 2.4
  BOTTOM SIG w0.2: U2.7@-12.715,1.5 -12.64,1.575 -12.404,1.575 -11.236,2.742 -11.236,2.764 -11,3 C5.1@-10.979,3
NetC6_1: C6.1 U2.6 | length 1.7
  BOTTOM SIG w0.2: U2.6@-12.715,2 -12.715,3.385 C6.1@-12.5,3.6
NetC16_1: C16.1 C17.1 Q2.3 U7.3 | length 15.2
  BOTTOM SIG w0.75: Q2.3@-20.45,-9.75 -20.45,-13.05 -19.229,-14.271 C17.1@-17,-14.271 -10.479,-14.271 v1(-10,-14.75) v1(-10,-15.5)
NetC23_1: C23.1 C24.1 U8.3 U8.4 U9.10 U9.11 U9.12 | length 3.3
  BOTTOM SIG w0.2: C24.1@11.229,2 13.858,2 13.975,1.883 13.975,1.425 U9.10@14,1.4
NetC25_2: C25.2 U9.9 | length 2.7
  BOTTOM SIG w0.2: C25.2@11.229,0.5 11.25,0.5 11.486,0.736 11.486,0.758 12.129,1.4 U9.9@13.5,1.4
NetC26_2: C26.2 F3.1 R56.2 U10.2 U10.7 | length 2.2
  BOTTOM SIG w0.3: R56.2@16.65,-17 16.65,-15.7 17.1,-15.25 F3.1@17.1,-15
NetC27_2: C27.2 T1.1 | length 2.4
  TOP SIG w0.2: T1.1@13.445,2.382 13.445,3.945 14,4.5 C27.2@14,4.521
NetC28_2: C28.2 T1.2 | length 2.2
  TOP SIG w0.2: C28.2@12,4.521 12.175,4.346 T1.2@12.175,2.382
NetC41_1: C41.1 U11.22 | length 3.3
  TOP SIG w0.3: v1(12.25,14.25) 12.75,13.75 U11.22@13.725,13.75
  BOTTOM SIG w0.3: v1(12.25,14.25) 12.288,14.288 12.288,14.788 13,15.5 C41.1@13.021,15.5
NetC42_1: C42.1 U11.20 | length 2.7
  TOP SIG w0.3: v1(12.25,12.25) 12.75,12.75 U11.20@13.725,12.75
  BOTTOM SIG w0.3: C42.1@11.229,12.25 v1(12.25,12.25)
NetC65_1: C65.1 R96.1 R98.1 SW3.1 | length 5.3
  TOP SIG w0.3: v1(10,21.75) 10,21.25 SW3.1@10.5,21.125
  BOTTOM SIG w0.3: R98.1@8.5,20.65 R96.1@10,20.65 ; v1(10,21.75) R96.1@10,20.65 ; C65.1@11.5,20.979 11.321,20.8 10.15,20.8 R96.1@10,20.65
NetD2_2: D2.2 R15.2
  other v1: 14.8,18.05
NetD2_3: D2.3 R16.2
  other v1: 14.8,18.95
NetD3_2: D3.2 R22.1
  other v1: 19.8,12.05
NetD3_3: D3.3 R23.1
  other v1: 19.8,12.95
NetD4_1: D4.1 R33.2 U12.54 | length 4.8
  TOP SIG w0.2: U12.54@-9.75,17.25 -9.747,17.253 -8.748,17.253 v1(-8.745,17.256)
  BOTTOM SIG w0.2: D4.1@-8.75,20.34 -8.75,20.3 -8.65,20.2 -8.448,20.2 -8.073,19.825 -8.073,18.702 -8.675,18.1 R33.2@-8.75,18.1 -8.745,18.095 v1(-8.745,17.256)
NetD5_1: D5.1 R77.2 | length 2.1
  TOP SIG w0.3: R77.2@17.65,9 17.675,9.025 19.675,9.025 D5.1@19.7,9.05
NetD5_4: D5.4 R78.2 | length 2.3
  TOP SIG w0.3: R78.2@17.65,10.5 17.65,10.425 18.125,9.95 D5.4@19.7,9.95
NetD6_1: D6.1 R44.2 U12.55 | length 6
  TOP SIG w0.2: U12.55@-9.75,16.75 -9.698,16.698 -9.029,16.698 -8.831,16.5 v1(-8.75,16.5)
  BOTTOM SIG w0.2: R44.2@-10.25,18.1 R44.2@-10.18,18.1 ; D6.1@-10,20.34 -10,20.3 -9.573,19.873 -9.573,18.702 -10.175,18.1 R44.2@-10.18,18.1 ; v1(-8.75,16.5) -9.88,17.63 -9.88,17.8 R44.2@-10.18,18.1
NetD7_2: D7.2 R90.1
  other v1: 17.8,15.05
NetD7_3: D7.3 R91.1 | length 0.7
  BOTTOM SIG w0.2: R91.1@17.15,16.25 17.203,16.197 ccw(c17.8,16.795) v1(17.8,15.95)
NetF1_2: F1.2 U4.1 U4.2
NetF2_2: F2.2 R42.2 U8.1 U8.2 | length 1.6
  BOTTOM SIG w0.2: R42.2@15.1,11 15.1,9.8 F2.2@15.4,9.5
NetL1_1: L1.1 U5.8 U5.9
NetL1_2: L1.2 U5.6 U5.7
NetL2_1: L2.1 U9.1 U9.2 U9.3
NetQ1_1: Q1.1 R31.2 R32.1 | length 3.5
  BOTTOM SIG w0.2: R31.2@2.25,8.85 R32.1@3.75,8.85 4.55,8.85 5.35,8.05 Q1.1@5.35,7.95
NetQ2_1: Q2.1 R34.2 R35.1 | length 35.4
  PWR + INT SIG w0.2: v1(-16.5,-8) -11.327,-8 -9.905,-6.578 -9.905,-1.168 -9.903,-1.167 -9.903,12.477 -10.677,13.25 -10.957,13.25 -11.25,13.543 -11.25,13.75 -11.25,13.957 -10.957,14.25 -9.875,14.25 -9.375,13.75 -8.5,13.75 -8.35,13.6 v1(-7.5,13.6)
  BOTTOM SIG w0.2: Q2.1@-18.55,-9.1 R35.1@-17,-9.1 -17,-8.5 v1(-16.5,-8)
NetQ3_2: Q3.2 R50.1 U12.52 | length 20.1
  TOP SIG w0.2: U12.52@-9.75,18.25 -8.017,18.25 -7.767,18 v1(-7.75,18)
  BOTTOM SIG w0.2: v1(-7.75,18) -7.744,17.994 -7.744,17.389 -4.25,13.895 -4.25,10.95 -3.75,10.45 -3.75,9.023 -1.5,6.773 R50.1@-1.5,4.65 -1.425,4.65 -0.775,4 Q3.2@0.3,4
NetQ3_3: Q3.3 R54.2 R55.2 U10.4 | length 45.1
  PWR + INT SIG w0.2: v1(2.25,7.15) 2.22,7.12 0.12,7.12 -1.49,5.51 -1.49,-1.703 -1.012,-2.182 -0.4,-2.794 10.454,-2.794 11.203,-3.543 11.203,-7.903 v1(14.1,-10.8) 19.55,-10.8 v1(21,-9.35)
  BOTTOM SIG w0.2: Q3.3@0.3,4.65 0.4,4.75 0.648,4.75 1.573,5.675 1.573,6.548 2.175,7.15 v1(2.25,7.15) ; v1(14.1,-10.8) 14.1,-11.236 14.114,-11.25 U10.4@14.2,-11.25
NetQ3_5: Q3.5 R59.1 U12.51 | length 25.4
  TOP SIG w0.2: U12.51@-9.75,18.75 v1(-7.5,18.75)
  BOTTOM SIG w0.2: v1(-7.5,18.75) -7.5,18.733 -7.25,18.483 -7.25,17.321 -3.9,13.971 -3.9,12.2 -3.25,11.55 -3.25,10.05 -2.75,9.55 -2.75,8.45 -2.052,7.752 2.75,7.752 3.062,7.439 3.062,6.463 R59.1@3.675,5.85 ; Q3.5@2.2,4 2.3,4.1 2.759,4.1 3,4.341 3,5.175 R59.1@3.675,5.85 ; R59.1@3.75,5.85 R59.1@3.675,5.85
NetQ4_1: Q4.1 R81.2 R82.1 | length 4
  BOTTOM SIG w0.2: R82.1@5.25,11.1 Q4.1@7.05,11.1 7.15,11.1 8.125,10.125 8.35,10.125 8.65,9.825 R81.2@8.65,9.75
NetQ5_5: Q5.5 Q5.6 R26.2 | length 2.5
  BOTTOM SIG w0.3: R26.2@3,21.65 Q5.6@4.8,21.65 Q5.5@4.8,21
NetR1_2: R1.2 R2.1 U1.3 | length 6
  TOP SIG w0.2: U1.3@-12.5,4.215 -12.425,4.14 -12.425,3.825 -12.002,3.402 -10.573,3.402 -9.575,4.4 R1.2@-9.5,4.4 -9.2,4.1 -9.075,4.1 -8.075,3.1 R2.1@-8,3.1
NetR3_1: R3.1 R6.2 U12.9 | length 8.6
  TOP SIG w0.2: v1(-4.25,9.25) -4.193,9.307 -3.943,9.307 -3.762,9.489 -3.762,10.238 U12.9@-3.75,10.25
  BOTTOM SIG w0.2: R3.1@-10.6,8.5 R6.2@-9.4,8.5 -9.4,8.425 -8.798,7.823 -5.677,7.823 v1(-4.25,9.25)
NetR4_1: R4.1 U1.8 | length 4
  TOP SIG w0.2: U1.8@-12.5,6.785 -12.425,6.86 -12.425,7.325 -12.15,7.6 -10.22,7.6 -9.7,8.12 -9.7,8.125 -9.575,8.25 R4.1@-9.4,8.25
NetR5_1: R5.1 U1.9 U12.8 | length 13.7
  TOP SIG w0.2: U1.9@-13,6.785 -13,7.325 -11.9,8.425 R5.1@-11.9,8.5 -11.9,8.575 -11.25,9.225 -11.25,11.25 -10.75,11.75 -4.543,11.75 -4.25,11.457 U12.8@-4.25,10.25
NetR9_2: R9.2 R10.1 U2.3 | length 12.5
  PWR + INT SIG w0.2: v1(-16.25,1.25) -16.75,1.75 -16.75,3.5 -10.75,9.5 v1(-10.75,10)
  BOTTOM SIG w0.2: v1(-16.25,1.25) -16.169,1.25 -15.919,1 U2.3@-15.285,1
NetR11_1: R11.1 R14.2 U12.11 | length 20
  TOP SIG w0.2: v1(-3.25,9.25) -3.193,9.307 -2.943,9.307 -2.802,9.448 -2.802,10.198 U12.11@-2.75,10.25
  GND w0.2: v1(-8.5,-1.75) -8.5,1.47 -8.495,1.475 -8.495,6.105 -4.85,9.75 -3.75,9.75 v1(-3.25,9.25)
  BOTTOM SIG w0.2: v1(-8.5,-1.75) -8.5,-0.15 R11.1@-8.65,0 -8.65,0.075 -7.65,1.075 -7.65,1.2 R14.2@-7.35,1.5
NetR12_1: R12.1 U2.8 | length 1.9
  BOTTOM SIG w0.2: U2.8@-12.715,1 -11.575,1 -11.075,1.5 R12.1@-11,1.5
NetR13_1: R13.1 U2.9 U12.10 | length 20.8
  TOP SIG w0.2: v1(-3.75,11.25) -3.693,11.193 -3.443,11.193 -3.302,11.052 -3.302,10.302 U12.10@-3.25,10.25
  GND w0.2: v1(-10.998,-1.75) -10.943,-1.694 -10.943,-1.443 -8.802,0.698 -8.802,6.225 -3.777,11.25 v1(-3.75,11.25)
  BOTTOM SIG w0.2: U2.9@-12.715,0.5 -11.575,0.5 -11.325,0.25 R13.1@-11.25,0.25 ; R13.1@-11.15,0 -10.998,-0.152 v1(-10.998,-1.75)
NetR17_1: R17.1 U3.2 | length 5.8
  BOTTOM SIG w0.2: U3.2@7.6,-6.45 7.605,-6.445 7.605,-5.995 8,-5.6 8,-3.2 8.7,-2.5 R17.1@10.1,-2.5
NetR20_1: R20.1 U3.4 | length 6.2
  GND w0.2: v1(8.604,-5.104) 8.604,-5.096 9.4,-4.3 9.4,-1.7 v1(10.1,-1)
  BOTTOM SIG w0.2: U3.4@8.4,-6.45 8.4,-5.381 8.604,-5.178 v1(8.604,-5.104)
NetR24_2: R24.2 R25.1 U12.12 | length 37.1
  TOP SIG w0.2: v1(-2.75,11.25) -2.711,11.211 -2.411,11.211 -2.25,11.05 U12.12@-2.25,10.25
  PWR + INT SIG w0.2: v1(-2.75,11.25) -3.9,10.1 -4.6,10.1 -5.303,9.397 -5.303,3.887 -5.298,3.882 -5.298,-1.628 -4.94,-1.987 -4.94,-9.587 3.11,-17.637 3.462,-17.637 v1(3.475,-17.65)
  BOTTOM SIG w0.2: R25.1@1.5,-17.65 R24.2@3,-17.65
NetR27_2: R27.2 U6.8 U12.46 | length 35.7
  TOP SIG w0.2: U12.46@-6.75,21.75 -6.802,21.698 -6.802,19.068 -6.567,18.833 -6.332,18.598 -6.128,18.598 -5,17.47 v1(-5,16.75)
  PWR + INT SIG w0.2: v1(-5,16.75) -5.026,16.724 -5.026,16.15 -5.306,15.87 -5.306,12.706 -4.35,11.75 -2.543,11.75 -2.25,11.457 ; v1(-3.503,-3) -3.503,-2.936 -3.3,-2.733 -3.3,2.553 v1(-4.497,3.75) -4.002,4.245 -4.002,5.558 -0.75,8.809 -0.75,9.957 -2.25,11.457
  BOTTOM SIG w0.2: v1(-4.497,3.75) -4.097,3.35 R27.2@-3,3.35 ; U6.8@-3.7,-0.25 -3.459,-0.25 -3.444,-0.264 -3.444,-0.771 -3.198,-1.016 -3.198,-2.698 -3.5,-3 v1(-3.503,-3)
NetR28_2: R28.2 R29.1 U12.43 | length 4.7
  TOP SIG w0.2: v1(-6,19.4) -5.25,20.15 U12.43@-5.25,21.75
  BOTTOM SIG w0.2: v1(-6,19.4) -5.925,19.4 -4.925,18.4 -4.8,18.4 R28.2@-4.5,18.1
NetR34_1: R34.1 U12.60 | length 2.5
  TOP SIG w0.2: U12.60@-9.75,14.25 v1(-8.75,14.25)
  BOTTOM SIG w0.2: v1(-8.75,14.25) -8.725,14.275 -8.2,14.275 -7.575,14.9 R34.1@-7.5,14.9
NetR42_1: R42.1 R43.2 U12.17 | length 19.4
  TOP SIG w0.2: U12.17@1.75,12.25 v1(2.75,12.25)
  GND w0.2: v1(2.75,12.25) 2.794,12.294 3.194,12.294 3.5,12.6 7.1,12.6 7.75,13.25 7.75,14.857 8.082,15.189 9.082,15.189 10.521,13.75 12.65,13.75 13.9,12.5 v1(16.4,12.5)
  BOTTOM SIG w0.2: R42.1@16.4,11 v1(16.4,12.5)
NetR56_1: R56.1 R57.2 U12.25 | length 58.7
  TOP SIG w0.2: U12.25@1.75,16.25 v1(2.75,16.25)
  BOTTOM SIG w0.2: v1(2.75,16.25) 2.825,16.25 4.425,17.85 8.598,17.85 9.175,18.427 11.325,18.427 11.684,18.068 11.684,17.859 12.719,16.823 15.075,16.823 15.252,17 17.543,17 cw(c17.543,15.293) 17.925,16.957 cw(c17.879,16.762) 18.022,16.902 18.102,16.821 cw(c17.96,16.681) 18.11,16.812 18.542,16.318 19.076,15.707 cw(c18.926,15.576) 19.084,15.698 19.982,14.538 cw(c19.824,14.415) 19.989,14.528 20.816,13.316 cw(c20.651,13.203) 20.823,13.306 21.267,12.562 21.576,12.046 cw(c21.404,11.944) 21.582,12.036 22.258,10.734 cw(c22.081,10.641) 22.263,10.723 22.86,9.382 cw(c22.678,9.301) 22.865,9.371 23.381,7.997 cw(c23.194,7.927) 23.385,7.986 23.711,6.929 23.818,6.584 cw(c23.627,6.525) 23.821,6.572 24.169,5.147 cw(c23.975,5.099) 24.171,5.135 24.434,3.691 cw(c24.237,3.656) 24.435,3.68 ; R56.1@15.35,-17 15.911,-17.561 ccw(c16.909,-16.563) 16.909,-17.975 18.372,-16.512 ccw(c18.231,-16.371) 18.381,-16.502 18.992,-15.804 ccw(c18.84,-15.673) 19.004,-15.789 19.019,-15.771 19.188,-15.557 19.791,-14.792 ccw(c19.633,-14.669) 19.797,-14.784 20.524,-13.758 ccw(c20.36,-13.642) 20.529,-13.749 21.203,-12.686 ccw(c21.033,-12.579) 21.207,-12.678 21.549,-12.073 21.825,-11.582 ccw(c21.651,-11.484) 21.83,-11.573 22.391,-10.447 ccw(c22.212,-10.358) 22.395,-10.437 22.897,-9.284 ccw(c22.714,-9.204) 22.901,-9.275 23.344,-8.097 ccw(c23.156,-8.027) 23.347,-8.087 23.429,-7.83 23.728,-6.888 ccw(c23.538,-6.828) 23.731,-6.879 24.051,-5.662 ccw(c23.857,-5.611) 24.053,-5.652 24.309,-4.42 ccw(c24.114,-4.38) 24.311,-4.41 24.396,-3.867 24.504,-3.167 ccw(c24.307,-3.137) 24.505,-3.157 24.634,-1.906 ccw(c24.435,-1.885) 24.635,-1.896 24.683,-0.958 24.7,-0.639 ccw(c24.5,-0.629) 24.7,-0.629 24.7,0.734 ccw(c24.5,0.734) 24.7,0.746 24.656,1.479 24.625,1.992 24.612,2.211 ccw(c24.412,2.199) 24.611,2.222 24.435,3.679
NetR58_2: R58.2 U10.8 U12.42 | length 60
  TOP SIG w0.2: U12.42@-4.75,21.75 -4.75,18.073 -4,17.323 v1(-4,16.75)
  PWR + INT SIG w0.2: v1(-4,16.75) -4,16.095 -4.359,15.737 -4.578,15.737 -4.703,15.612 -4.703,12.956 -4.1,12.353 -2.293,12.353 -0.106,10.167 -0.106,8.6 -2.697,6.009 -2.697,-3.37 -3.327,-4 -3.8,-4 -3.997,-4.197 -3.997,-9.25 -3.299,-9.948 0.252,-9.948 0.45,-9.75 0.957,-9.75 4.029,-12.822 9.778,-12.822 10.621,-11.979 11.729,-11.979 v1(12.5,-12.75)
  BOTTOM SIG w0.2: v1(12.5,-12.75) 12.5,-13.3 13.1,-13.9 13.85,-13.9 14.986,-12.764 15.786,-12.764 U10.8@15.8,-12.75 ; R58.2@12.5,-12.65 R58.2@12.575,-12.65
NetR65_1: R65.1 T1.10 | length 2.6
  TOP SIG w0.3: R65.1@9.5,-8.35 9.575,-8.35 9.825,-8.1 10.776,-7.149 10.776,-6.511 T1.10@10.905,-6.381
NetR66_1: R66.1 T1.9 | length 2.4
  TOP SIG w0.3: T1.9@7.095,-6.381 7.095,-7.52 7.925,-8.35 R66.1@8,-8.35
NetR74_1: R74.1 U11.10 | length 3.7
  TOP SIG w0.2: U11.10@11.25,7.775 11.25,7.2 11.65,6.8 13.225,6.8 13.85,7.425 R74.1@13.85,7.5
NetR81_1: R81.1 U12.24 | length 13.3
  TOP SIG w0.2: v1(-0.236,12.764) -0.179,12.821 -0.179,13.348 0.951,14.478 0.951,15.548 1.101,15.698 1.698,15.698 U12.24@1.75,15.75
  BOTTOM SIG w0.2: v1(-0.236,12.764) -0.214,12.742 -0.214,12.214 1.003,10.997 4.252,10.997 4.75,10.498 6.677,10.498 7.35,9.825 R81.1@7.35,9.75
NetR83_1: R83.1 R84.2 U12.26 | length 3.5
  TOP SIG w0.2: U12.26@1.75,16.75 1.762,16.762 2.512,16.762 3,17.25 v1(3,17.75)
  BOTTOM SIG w0.2: R84.2@1.5,17.85 R83.1@3,17.85
NetR93_2: R93.2 SW2.1 | length 1
  BOTTOM SIG w0.2: v1(-13.5,19.125) -13.5,19.044 -13.375,18.919 -13.375,18.7 -13.075,18.4 R93.2@-13,18.4